# EAGLE board Mk4 Final Panel 8up 2x4 (EAGLE 9.0.1), part 12 of 23
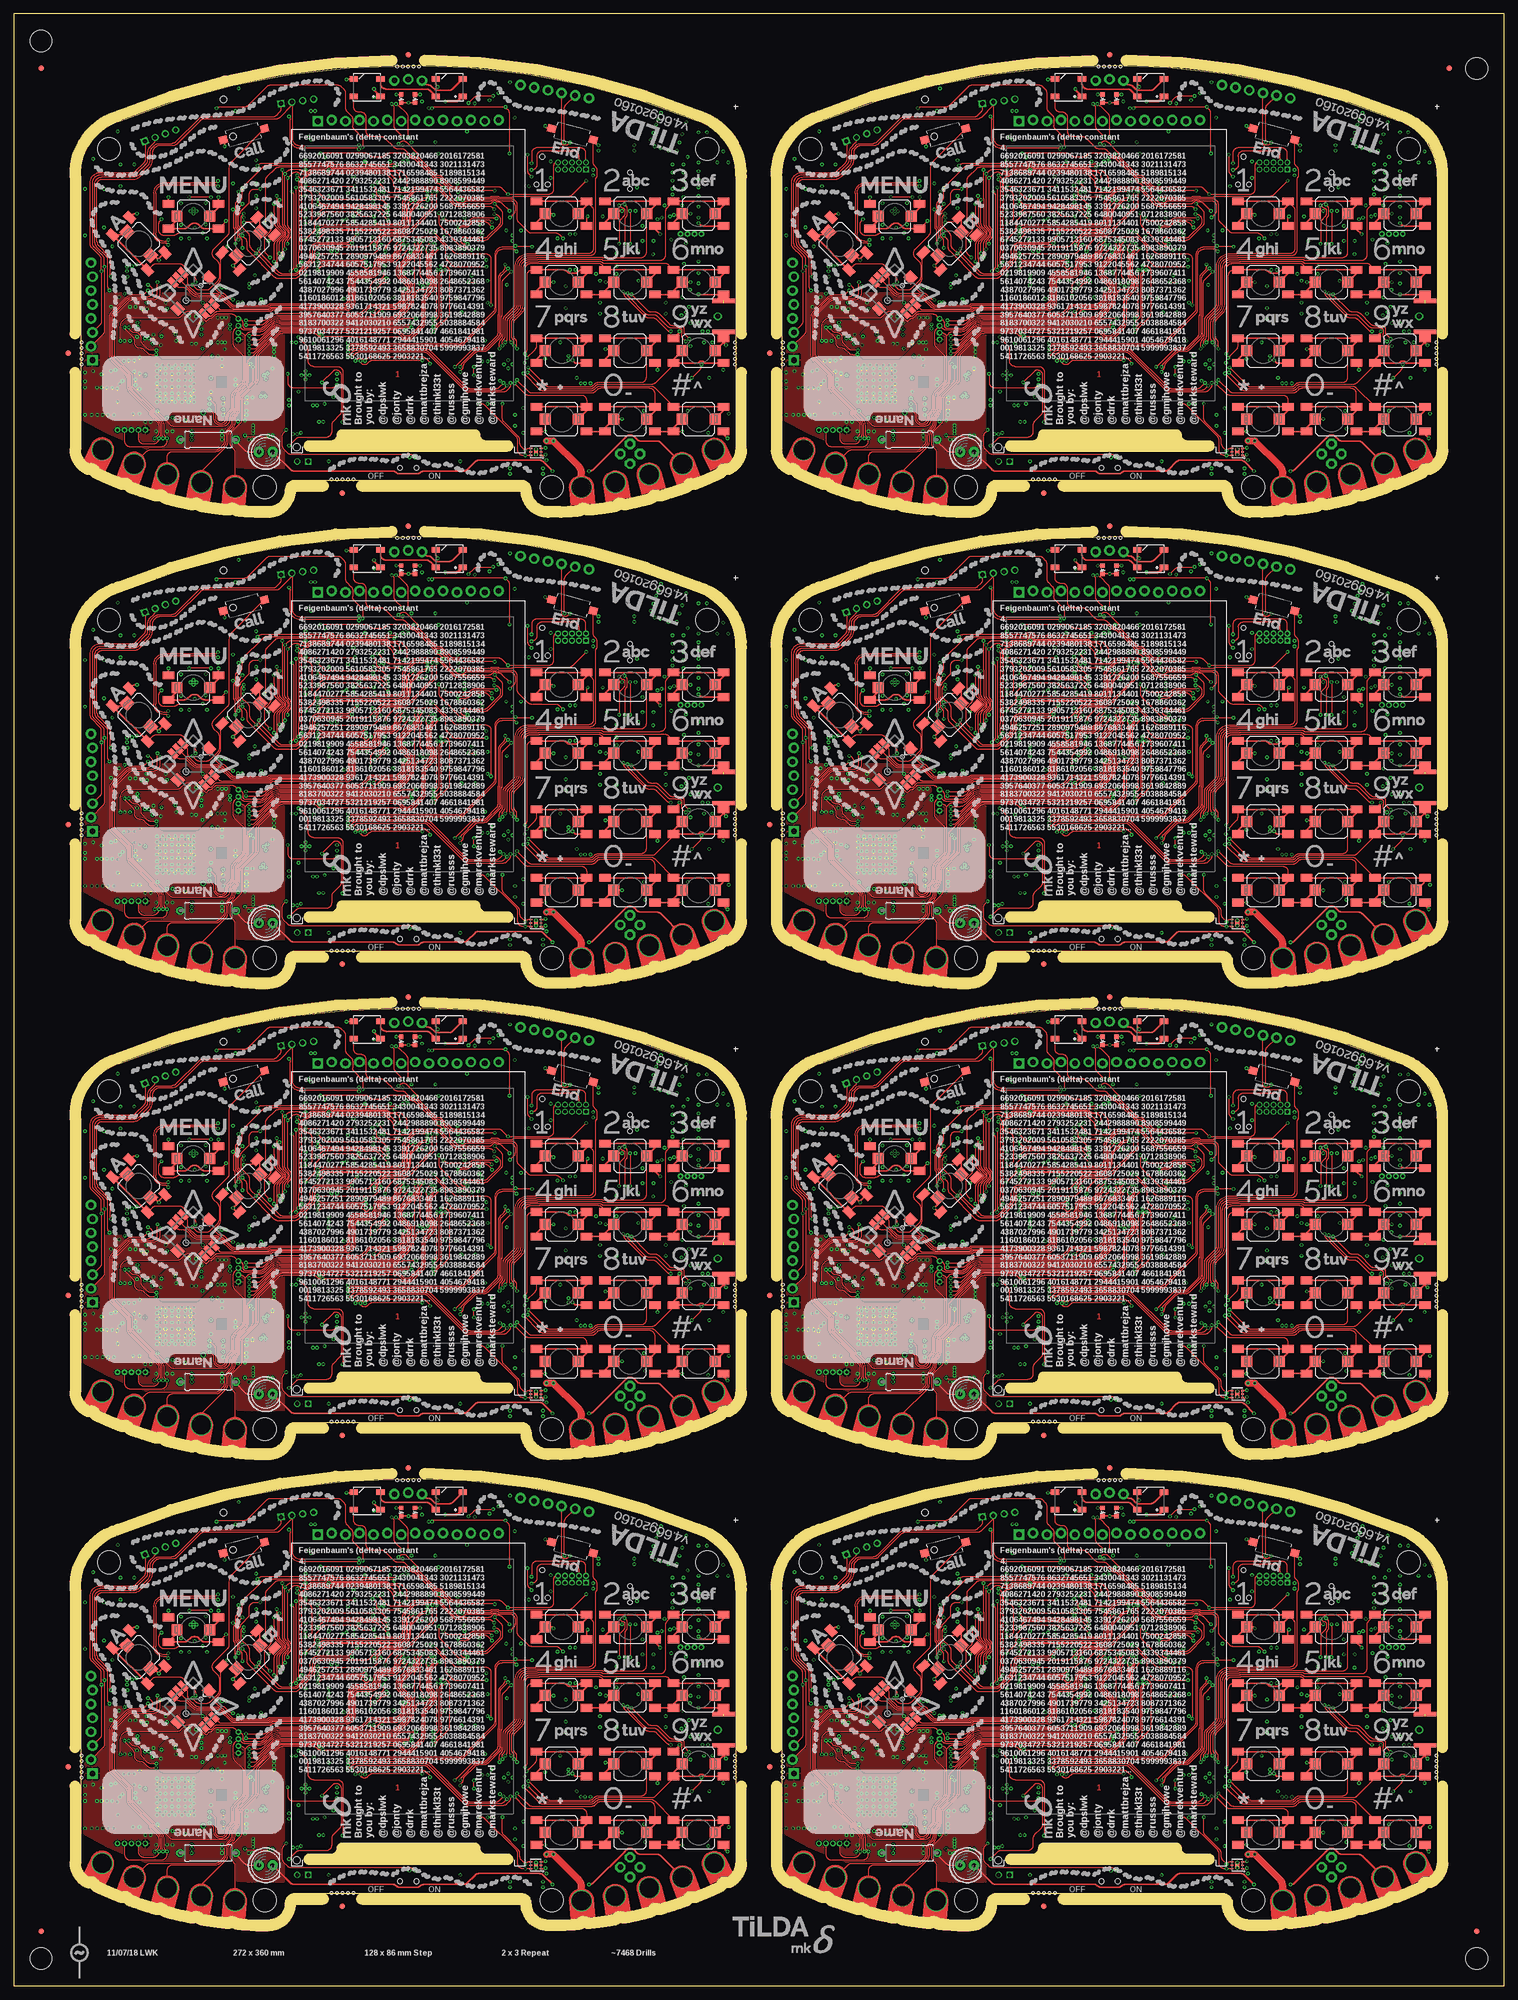
[diagram p0: board, top side]
## Tracks (layer width: path | path; a pad name or v marks a point on that pad's centre or on a via) (continued)
GND4  (via drill 0.3)  (1 unrouted) (continued)
  Top 0.3: S91.1 107.95,210.95 S91.A1 | S87.A1 95.45,210.95 S87.1 v97,211 | S88.A1 95.45,198 95.7,197.75 v97,197.75 S88.1 | S96.1 120.45,198.45 S96.A1 | S95.1 129.55,214.05 S95.A1 | 120.45,235.5 120.45,235.95 S93.1 v123.5,237.5 | 120.45,235.5 S93.A1 | S89.A1 107.95,235.95 S89.1 110,238 v111,238 | S85.A1 95.45,235.95 S85.1 98.25,237.5 v98.5,237.25 | S86.A1 95.45,223.45 S86.1 v98.5,225 | 107.95,223 107.95,223.45 S90.1 v108.05,225 | 107.95,223 S90.A1 | S85.A2 104.55,236.8 v104.75,237 | 120.2,235.25 120.45,235.5 | S94.A2 v125,222.75 | v123.5,225 S94.1 120.45,223.45 S94.A1 S90.A2 | 104.5,210.3 S87.A2 102.5,210.25 v102,210.75 | S91.1 109,213 | S96.A2 129.5,197.75 129.5,197.25 v130.25,196.5 | S92.A2 S96.A1 | v111,200 S92.1 107.95,198.45 S92.A1 S88.A2 | S86.A2 107.7,222.75 107.95,223 | S101.1 97.49,253.01 v97,253.5 | LED27.C v72.03,257.75 LED28.C | LED25.3 61.95,262 v60.75,262 | S93.A2 125.91,235.25 arc-45 125.21,235.54 v125,235.75 | 27.61,230.39 S98.A1 26.5,229.26 v26.5,229 25.62,229.88 S98.1 | S98.A2 21.57,237.21 arc-45 22.28,237.5 v22.5,237.5 | S96.A1 v122,197.75 | S89.A2 117.05,234.7 v118,233.75 | S91.1 109.25,212.75 v108,212.75 | S91.A2 117.5,209.8 v117.5,209 | S99.A2 v28.25,240.5 | S99.1 37.35,238.55 S99.A1 v37.35,240.5 | S100.1 38.5,250.72 v38.5,249.75 | S97.A1 40.81,227.19 v40,228 40.68,228.68 S97.1 | v46.5,232.5 47.61,233.61 S97.A2 | LED26.3 77.05,261.36 arc45 77.34,260.66 v77.4,260.6 | S95.A2 121.5,215.8 v121.5,216 | S95.A1 129.55,213.95 v130,213.5 | S95.A1 129.53,214.76 J49.G@4
  Top 0.4: S94.A2 129.53,222.74 J49.G@3
  GND@3 0.4: v34.45,212.85 31.8,210.2 v31.8,209.85 | v29.5,215.5 28.75,214.75 28.75,210.6 v29.5,209.85 | v27,215.1 27.75,214.35 27.75,210.4 v28.3,209.85
  Bottom 0.15: J41.32 68.75,222.25 | J41.31 69.25,222 | J41.30 69.75,222 | J41.29 70.25,222 | J41.28 70.75,222 | J41.27 71.25,222 | J41.26 71.75,222 | J41.25 72.25,222 | J41.24 72.75,222 | J41.23 73.25,222 | J41.22 73.75,222 | J41.21 74.25,222 | J41.20 74.75,222 | J41.19 75.25,222 | J41.18 75.75,222 | J41.17 76.25,222 | J41.16 76.75,222 | J41.15 77.25,222 | J41.14 77.75,222 | J41.13 78.25,222 | J41.12 78.75,222 | J41.11 79.25,222 | IC74.58 v65.6,240.8 | IC74.55 v65.6,239.6 | IC77.3 87.05,258 v86.85,258.2 | ANT10.3 118.79,255.9 v118.15,255.9 | v117.7,254.75 117.8,254.65 117.94,254.65 117.84,254.75 v117.7,254.75 | ANT10.2 118.05,254.4 v117.7,254.75 | ANT10.4 122.28,254.2 v122.75,254.2 | IC83.PAD v30.1,207.1 | IC83.PAD v28.9,207.1 | IC83.PAD v28.9,205.9 | IC83.PAD v30.1,205.9 | v28.9,208.3 29.5,208.9 v29.5,209.85 | v28.3,209.85 28.3,208.9 v27.7,208.3 27.75,208.35 | v31.3,208.3 31.3,209.35 v31.8,209.85 | v87.5,202.75 C534.2 88,203.5 arc90 88.5,204 88.5,204.5 arc90 88,205 IC86.2 87.46,205 arc45 87.1,204.85 86.9,204.65 arc-45 86.54,204.5 IC86.4 | C536.2 96.45,194.5 | v113.25,250 C485.2 | C488.2 v113.25,249 | C486.2 v106.75,250 | C484.2 v106.75,249 | v30.55,239.4 30.25,239.7 R389.2
  Bottom 0.2: C447.1 74.6,227.85 IC74.10 | IC74.17 71.8,228.01 arc-45 71.65,227.65 C446.1 v71.5,226.75 | IC74.48 63.46,236.8 arc-45 C444.1 | IC74.114 80.74,236.4 arc45 81.44,236.69 C443.1 | IC74.80 71.8,246.05 71.97,246.22 | X20.4 19.88,205.43 19.7,205.6 v18.9,205.6 | X20.2 21.73,201.07 v21.8,201 | IC85.23 87.8,210.75 arc-45 87.66,210.81 87.25,211.22 arc-90 87.25,211.25 | 87.25,211.25 v87.25,211.5 | IC85.24 87.25,211.25 | IC85.18 89,207.25 v88.75,207 | IC85.9 v93.25,210.25 | IC78.17 52.5,205.5 v52,205 IC78.18 | J44.GND4 123,200.05 | 96.45,194.5 arc45 v97.05,194.75 | v37.3,241.5 C538.2 | IC80.4 93.97,241.72 C503.1
  Bottom 0.25: J41.50 59.75,221.45 v60.25,221.95 | J41.49 v60.25,221.95 | J41.48 60.75,221.45 v60.25,221.95 | J41.43 63.25,222 | J41.6 v81.75,219.5 | v74,224.75 74,225.62 C448.1 74.25,226.12 C447.1 | v62,237.1 C444.1 | v82.25,236.75 C443.1 | v72,247 C445.1 71.97,246.22 | C442.1 C450.1 v73,248.45 | v61,241.25 R321.2 | C449.1 71.05,248.25 v71.65,247.65 | v81.5,192.25 S103.1 | v57.5,192.25 S104.1 | C453.1 v68.7,247 | C452.1 v64.1,247 | v77.5,248.45 C451.1 | R383.2 v31.25,199.75 | v33.35,237.95 IC82.PAD v32.8,237.5 | C468.2 44.88,199.22 | v91.45,255 C439.1 | v74.5,258 C437.1
  Bottom 0.3: 83.45,258.3 v84.15,257.6 | v38,211 R382.2 | v20.25,214.25 C511.1 | v22.5,215 22.62,214.88 C516.2 | v102.5,227.25 C494.2 | v101.5,227.25 C491.2 | v102.5,233.75 C490.2 | C492.2 v101.5,233.75 | IC75.8 106.1,226.65 v106.25,226.5 | R356.2 v100.75,224.25 | R348.2 v100.75,218.25 | R355.2 v100.75,220.25 | IC75.13 108.1,232.65 v108.25,232.5 | IC75.21 116.9,232.65 v116.75,232.5 | Q19.2 100.65,214.15 R346.2 v99.75,214 | C503.1 v94,242.5 | v98,244 97.91,244.09 JP37.5 | C496.1 v105.75,245.5 | IC81.7 99.19,233.81 R367.1 v99.25,233 | v107.5,237 C481.1 | v111,238 110.5,237.5 C480.1 | C479.1 v113.5,238 | J44.GND3 117.21,210.06 arc-45 117.5,209.36 v117.5,209 | 129.38,212.5 J44.GND2 129.5,212.59 arc-45 129.79,213.29 v130,213.5 | 130.17,210 J44.C4 129.79,209.74 arc45 129.5,209.04 v129.5,209 | v130.5,201 130.38,201 J44.GND1 | v115.25,198.25 R371.2 116.92,198.25 Q18.2 | C482.1 v126.75,197.5 | J44.C5 122.85,201.65 v123,201.5 123,200.05 | v115,201.5 115.23,201.27 116.25,201.27 J44.GND6 | C436.1 v82.25,231 | C441.1 v85,234.25 | C440.1 v85,235.5 | Q17.4 Q17.EP2 | C462.1 v57.5,226.25 | IC73.28 43.07,226.25 v44,226.25 | C458.1 v40,238.25 | IC73.46 44.2,240.7 v44.25,240.75 | C461.1 v40,243 | IC73.54 43.89,247.1 arc45 v44.25,247.25 | IC73.52 v44.25,245.5 | C460.1 v56.75,247.75 | C456.1 v57.5,245.5 | IC73.6 53.4,243.1 v53.25,243.25 | C457.1 v57.5,240.75 | C459.1 v57.5,236.75 | R331.1 v59,207.25 | R333.2 v59,208.25 | R335.2 54.15,213.5 arc45 v54.75,213.75 | v38,224 C477.1 | v38.75,224 38.75,223.5 C477.1 | v37.25,224 37.25,223.5 C477.1 | IC73.12 53.3,238.3 v53.25,238.25 | R375.2 v21.25,220.45 | R376.2 v22.25,220.45 | R363.2 v91,232.5 | v32.05,232.95 C509.2 | v114.75,232.5 114.7,232.55 IC75.19 114.7,235.2 v114.75,235.25
  Bottom 0.3: R373.2 41.95,199.5 v42.2,199.75 | IC85.25 v89.5,210 | v72.6,250.55 72.67,250.55 X18.4 | X18.2 76.83,250.55 v76.95,250.55 | v88.5,259.5 C454.1 | v90.6,261.5 R325.2 | C438.1 v82.75,252.5 | C495.1 v89.9,234.45 | J46.8 J46.4 | J48.8 J48.4 | IC73.41 42.05,236.7 v42,236.75 | J44.GND5 123.11,212.91 v123.5,213.3 122.94,213.3 arc-45 122.23,213.59 IC79.3 | IC75.33 119.3,218.95 v119,219.25 | v123.45,223.6 C497.1 | v122.7,218.5 D10.2 | v122.7,219.5 C498.1 | v17.75,208.75 C501.1 | v14.5,208.75 C502.1 | 38.55,214.8 C519.2 37.95,214.8 | IC89.2 v96.6,191 | C539.2 v90.6,190 | IC89.3 v96.6,190 | v119,221.25 119.1,221.15 IC75.31
  Bottom 0.35: v38.55,214 38.55,214.8 | v37.95,214 37.95,214.8
  Bottom 0.4: C521.2 34.1,212.5 v34.45,212.85 | v37.25,211.5 C515.2 | v38,209.75 C527.2 | C517.2 34.12,217.62 v34.25,217.5 | C517.2 v33.25,218.75 | v32,218.75 C518.2 C517.2 | C522.2 28.9,214.9 v29.5,215.5 29.4,215.4 | C520.2 v27,215.1 | v25.5,215.4 26.1,214.8 C514.2 | v40.5,206.25 C532.1 | v40.5,207.25 C533.1 | v38.25,202.75 C528.2 | C524.2 v36,205 | C510.1 v27.75,221.25 | C530.1 v22.95,205.5 | C526.2 v22.25,206.25 | C512.2 v22.25,207.25 | C531.1 v22.95,201 | R374.2 v24,199.5 | R377.2 v25,199.5 | R384.2 v26,197.75 | C529.2 v29,197.75 | C523.2 v28,197.75 | v38.5,212.75 C525.2 37.4,213.64 arc45 v37.25,214 | IC84.4 21.12,226.16 arc45 v20.75,226 | v38.25,200.75 R341.2 | v85.5,210.5 C455.1 | v50.25,202.5 50.85,202.5 C475.2 50.85,203.5 v50.25,203.5 | S102.2 71.4,193 v72.25,193 | Q17.EP2 86.4,221.35 v86.5,221.25 | v86.5,225.25 IC76.4 | 48.75,212.75 C476.2 48.38,212.25 v47.5,212.25 | 48.62,213 v47.5,213 | C472.2 47.6,211.4 v47.5,211.5 | v47.25,209.25 47.25,208.32 C473.1 | 13,205.6 v13,205.75 ANT9.4 | ANT9.3 v13,200.75 | ANT9.2 14.25,201.7 v14.25,200.75 | C478.1 v38,197 | C478.1 37.5,197.75 v38,197.75 | C478.1 37.5,196.25 v38,196.25 | J47.4 40.94,255.81 v40.5,256.25 | C435.2 65.88,258.62 v65.75,258.75 | IC90.3 99.26,192.15 arc-45 98.56,192.44 C540.2 97.68,192.68 arc-45 v97.25,192.5 | TP93.TP 43.75,204.1 v43.6,203.95
  Bottom 0.5: v24.35,220.05 24.35,219.5 C513.2 23.35,219.5 v23.35,220.05
  Bottom 1: J42.1 93.05,198.8 C470.2 | C470.2 91.6,198.85 v91.5,198.75 | C470.2 v93,197.5 | v58.35,204 C471.2 56.65,202.85 v56.75,202.75
  other vias: 69.25,222.25 78.75,222.25 62.9,225.15 32.8,238.4 32.25,237.95 122.7,232.1 122.35,228.35 122,252 121.5,250.5 121,249 119.5,249 118,249.5 117,249.75 116.25,251 116.75,252.25 117.25,253.75 27.7,207.1 27.7,205.9 27.7,204.7 28.9,204.7 30.1,204.7 31.3,204.7 31.3,205.9 31.3,207.1 30.1,208.3 23,211.25 23,208.35 19,203.2 18.25,200.75 17.25,200.75 16.25,200.75 15.25,200.75 18,205.75 17,205.75 16,205.75 15.2,205.75 91,210 90.25,210.75 90.25,209.25 101.25,211.5 101.25,210.75 126,214 125,224.75 125,226.65 125,228.75 125,230.75 125,236.75 125,238.75 125,240.75 125,245.25 125,246.85 128.4,246.85 130.4,246.85 53.25,208 54,208 53.25,208.75 53.25,207.25 52.5,208 35.3,232.95 30.55,232.95 30.55,235.45 35.05,235.55 35.05,239.45 43.7,198.85 43.7,198.35 43.7,197.35 43.7,197.85 42.9,196.25 43.6,196.25 42.6,203.95 42.5,202.95 42.5,200.75 42.5,201.55 26.75,207.1 26.75,205.9 26.75,204.7 26.75,208.3 32.25,207.1 32.25,205.9 32.25,204.7 32.25,208.3 27.7,203.75 28.9,203.75 30.1,203.75 31.3,203.75 27.7,209.25 28.9,209.25 30.1,209.25 31.3,209.25 32.25,203.75 32.25,209.25 26.75,209.25 26.75,203.75 30.7,209.85 27.2,209.85 26.15,209.85 26.15,208.8 29.5,203.15 30.7,203.15 31.9,203.15 28.3,203.15 27.2,203.15 32.85,206.45 32.85,205.25 32.85,204.05 32.85,207.65 26.15,206.5 26.15,205.3 26.15,204.2 26.15,207.7 32.85,208.75 32.85,209.85 32.85,203.15 26.15,203.15 126.7,216 125.7,216 127.5,214 122,222.2 16.5,242 16.5,235 19.5,242.5 19.5,246.5 22,246.5 19,252.5 14.5,247.5 13,242 13,233.5 18,231.5 19.25,222.25 13,208.5 110,219.25 107,219.25 107,221.25 107,225.25 114,225.25 116.7,230.1 114,230.75 120,232.75 123.5,217.5 123.25,220.5 125,242.25 125,243.75 123,247.85 125,252.35 129.5,248.85 126.5,252.35 121.85,218.95 125,217.5 18.6,208.95 19.35,206.45 19.85,206.95 22,208.7 21,210.7 22,210.7 20.1,210.6 122.25,246.5 120.25,246.5 122.25,245 120.25,245 122.25,243.5 120.25,243.5 122.25,242 120.25,242 122.25,240.5 120.25,241 118.75,239 118.25,236.75 117.5,236.5 119.75,237 120.5,237.25 122,239 17.75,220.5 16,208.15 13,206.85 110,230.25 110,226.5 110,227.9
  pour GND@3 (isolate 0.254, rank 6): 12.2,246.5 12.2,193 arc31 44,184 46.7,184 arc90 49.5,186.8 arc-90 51.5,188.8 92.5,188.8 arc-90 94.5,186.8 arc90 97.3,184 100,184 arc31 131.8,193 131.8,216.5 125.5,216.5 125.5,246.5 131.8,246.5 arc64 125.25,254.25 arc24 72,264.5 arc24 18.75,254.25 arc55
  pour Bottom (rank 6): 79.25,220.9 79.25,222.25 79,222.5 69,222.5 68.75,222.25 68.75,220.9
  pour Bottom (isolate 0.254, rank 6): 12.2,246.5 12.2,200 arc9 23,195 23,207 25,207 25,213 23,213 23,215 arc90 22,216 21,216 arc-90 20,217 20,237.71 arc-90 32.79,250.5 40.5,250.5 44,254 102.5,253.5 arc-90 105,251 105,216.5 116.09,216.5 arc-45 116.79,216.21 119.21,213.79 arc45 119.91,213.5 131.8,213.5 131.8,216.5 125.5,216.5 125.5,246.5 131.8,246.5 arc64 125.25,254.25 arc24 72,264.5 arc24 18.75,254.25 arc55
  pour Bottom (rank 2, no thermals): 113.5,217 115,217 115,214.5 114.41,214.5 arc45 113.71,214.21 113.29,213.79 arc45 113,213.09 113,211 arc-90 112,210 101.5,210 arc-90 100.5,211 arc-90 101.5,212 109.75,212 arc90 110.75,213 110.75,213.09 arc-45 111.04,213.79 111.71,214.46 arc-45 112.41,214.75 112.59,214.75 arc45 113.29,215.04 113.5,215.25
  pour Bottom (no thermals): 63.5,223.5 63.5,222.2 63.3,222 63.2,222 63,222.2 63,223.25 62.5,223.75 62.5,225.3 62.7,225.5 63.05,225.5 63.25,225.3 63.25,223.75
  pour Bottom: 35.55,232.95 35.55,238.95 arc90 34.55,239.95 31.05,239.95 arc90 30.05,238.95 30.05,232.95 arc90 31.05,231.95 34.55,231.95 arc90
  pour Bottom (no thermals): 49.4,211 49.4,212.1 49.2,212.3 49.2,213.05 49,213.25 47.75,213.25 47.25,212.75 47.25,211.25 47.5,211
  pour Bottom (no thermals): 43.9,198.8 43.9,196.3 arc-90 43.4,195.8 42.45,195.8 arc-90 41.95,196.3 41.95,203.65 arc-90 42.45,204.15 43.55,204.15 arc-90 44.05,203.65 44.05,200.1 arc90 44.55,199.6 45.8,199.6 45.85,199.55 45.85,198.9 45.75,198.8
  pour Top (rank 6): 12.2,223 12.2,200 arc34 49,191 49.5,191 49.5,223
GND5  (via drill 0.3)  (1 unrouted)
  Top 0.15: IC106.3 224.3,194.65 224.25,194.6 IC106.2 | v223.3,193.5 IC106.PAD v223.3,194.5
  Top 0.2: 224.3,194.65 224.95,194.65 v225.05,194.75
  Top 0.3: S112.1 235.95,210.95 S112.A1 | S108.A1 223.45,210.95 S108.1 v225,211 | S109.A1 223.45,198 223.7,197.75 v225,197.75 S109.1 | S117.1 248.45,198.45 S117.A1 | S116.1 257.55,214.05 S116.A1 | 248.45,235.5 248.45,235.95 S114.1 v251.5,237.5 | 248.45,235.5 S114.A1 | S110.A1 235.95,235.95 S110.1 238,238 v239,238 | S106.A1 223.45,235.95 S106.1 226.25,237.5 v226.5,237.25 | S107.A1 223.45,223.45 S107.1 v226.5,225 | 235.95,223 235.95,223.45 S111.1 v236.05,225 | 235.95,223 S111.A1 | S106.A2 232.55,236.8 v232.75,237 | 248.2,235.25 248.45,235.5 | S115.A2 v253,222.75 | v251.5,225 S115.1 248.45,223.45 S115.A1 S111.A2 | 232.5,210.3 S108.A2 230.5,210.25 v230,210.75 | S112.1 237,213 | S117.A2 257.5,197.75 257.5,197.25 v258.25,196.5 | S113.A2 S117.A1 | v239,200 S113.1 235.95,198.45 S113.A1 S109.A2 | S107.A2 235.7,222.75 235.95,223 | S122.1 225.49,253.01 v225,253.5 | LED33.C v200.03,257.75 LED34.C | LED31.3 189.95,262 v188.75,262 | S114.A2 253.91,235.25 arc-45 253.21,235.54 v253,235.75 | 155.61,230.39 S119.A1 154.5,229.26 v154.5,229 153.62,229.88 S119.1 | S119.A2 149.57,237.21 arc-45 150.28,237.5 v150.5,237.5 | S117.A1 v250,197.75 | S110.A2 245.05,234.7 v246,233.75 | S112.1 237.25,212.75 v236,212.75 | S112.A2 245.5,209.8 v245.5,209 | S120.A2 v156.25,240.5 | S120.1 165.35,238.55 S120.A1 v165.35,240.5 | S121.1 166.5,250.72 v166.5,249.75 | S118.A1 168.81,227.19 v168,228 168.68,228.68 S118.1 | v174.5,232.5 175.61,233.61 S118.A2 | LED32.3 205.05,261.36 arc45 205.34,260.66 v205.4,260.6 | S116.A2 249.5,215.8 v249.5,216 | S116.A1 257.55,213.95 v258,213.5 | S116.A1 257.53,214.76 J59.G@4
  Top 0.4: S115.A2 257.53,222.74 J59.G@3
  GND@3 0.4: v162.45,212.85 159.8,210.2 v159.8,209.85 | v157.5,215.5 156.75,214.75 156.75,210.6 v157.5,209.85 | v155,215.1 155.75,214.35 155.75,210.4 v156.3,209.85
  Bottom 0.15: J51.32 196.75,222.25 | J51.31 197.25,222 | J51.30 197.75,222 | J51.29 198.25,222 | J51.28 198.75,222 | J51.27 199.25,222 | J51.26 199.75,222 | J51.25 200.25,222 | J51.24 200.75,222 | J51.23 201.25,222 | J51.22 201.75,222 | J51.21 202.25,222 | J51.20 202.75,222 | J51.19 203.25,222 | J51.18 203.75,222 | J51.17 204.25,222 | J51.16 204.75,222 | J51.15 205.25,222 | J51.14 205.75,222 | J51.13 206.25,222 | J51.12 206.75,222 | J51.11 207.25,222 | IC92.58 v193.6,240.8 | IC92.55 v193.6,239.6 | IC95.3 215.05,258 v214.85,258.2 | ANT12.3 246.79,255.9 v246.15,255.9 | v245.7,254.75 245.8,254.65 245.94,254.65 245.84,254.75 v245.7,254.75 | ANT12.2 246.05,254.4 v245.7,254.75 | ANT12.4 250.28,254.2 v250.75,254.2 | IC101.PAD v158.1,207.1 | IC101.PAD v156.9,207.1 | IC101.PAD v156.9,205.9 | IC101.PAD v158.1,205.9 | v156.9,208.3 157.5,208.9 v157.5,209.85 | v156.3,209.85 156.3,208.9 v155.7,208.3 155.75,208.35 | v159.3,208.3 159.3,209.35 v159.8,209.85 | v215.5,202.75 C642.2 216,203.5 arc90 216.5,204 216.5,204.5 arc90 216,205 IC104.2 215.46,205 arc45 215.1,204.85 214.9,204.65 arc-45 214.54,204.5 IC104.4 | C644.2 224.45,194.5 | v241.25,250 C593.2 | C596.2 v241.25,249 | C594.2 v234.75,250 | C592.2 v234.75,249 | v158.55,239.4 158.25,239.7 R467.2
  Bottom 0.2: C555.1 202.6,227.85 IC92.10 | IC92.17 199.8,228.01 arc-45 199.65,227.65 C554.1 v199.5,226.75 | IC92.48 191.46,236.8 arc-45 C552.1 | IC92.114 208.74,236.4 arc45 209.44,236.69 C551.1 | IC92.80 199.8,246.05 199.97,246.22 | X24.4 147.88,205.43 147.7,205.6 v146.9,205.6 | X24.2 149.72,201.07 v149.8,201 | IC103.23 215.8,210.75 arc-45 215.66,210.81 215.25,211.22 arc-90 215.25,211.25 | 215.25,211.25 v215.25,211.5 | IC103.24 215.25,211.25 | IC103.18 217,207.25 v216.75,207 | IC103.9 v221.25,210.25 | IC96.17 180.5,205.5 v180,205 IC96.18 | J54.GND4 251,200.05 | 224.45,194.5 arc45 v225.05,194.75 | v165.3,241.5 C646.2 | IC98.4 221.97,241.72 C611.1
  Bottom 0.25: J51.50 187.75,221.45 v188.25,221.95 | J51.49 v188.25,221.95 | J51.48 188.75,221.45 v188.25,221.95 | J51.43 191.25,222 | J51.6 v209.75,219.5 | v202,224.75 202,225.62 C556.1 202.25,226.12 C555.1 | v190,237.1 C552.1 | v210.25,236.75 C551.1 | v200,247 C553.1 199.97,246.22 | C550.1 C558.1 v201,248.45 | v189,241.25 R399.2 | C557.1 199.05,248.25 v199.65,247.65 | v209.5,192.25 S124.1 | v185.5,192.25 S125.1 | C561.1 v196.7,247 | C560.1 v192.1,247 | v205.5,248.45 C559.1 | R461.2 v159.25,199.75 | v161.35,237.95 IC100.PAD v160.8,237.5 | C576.2 172.88,199.22 | v219.45,255 C547.1 | v202.5,258 C545.1
  Bottom 0.3: 211.45,258.3 v212.15,257.6 | v166,211 R460.2 | v148.25,214.25 C619.1 | v150.5,215 150.62,214.88 C624.2 | v230.5,227.25 C602.2 | v229.5,227.25 C599.2 | v230.5,233.75 C598.2 | C600.2 v229.5,233.75 | IC93.8 234.1,226.65 v234.25,226.5 | R434.2 v228.75,224.25 | R426.2 v228.75,218.25 | R433.2 v228.75,220.25 | IC93.13 236.1,232.65 v236.25,232.5 | IC93.21 244.9,232.65 v244.75,232.5 | Q23.2 228.65,214.15 R424.2 v227.75,214 | C611.1 v222,242.5 | v226,244 225.91,244.09 JP46.5 | C604.1 v233.75,245.5 | IC99.7 227.19,233.81 R445.1 v227.25,233 | v235.5,237 C589.1 | v239,238 238.5,237.5 C588.1 | C587.1 v241.5,238 | J54.GND3 245.21,210.06 arc-45 245.5,209.36 v245.5,209 | 257.38,212.5 J54.GND2 257.5,212.59 arc-45 257.79,213.29 v258,213.5 | 258.17,210 J54.C4 257.79,209.74 arc45 257.5,209.04 v257.5,209 | v258.5,201 258.38,201 J54.GND1 | v243.25,198.25 R449.2 244.93,198.25 Q22.2 | C590.1 v254.75,197.5 | J54.C5 250.85,201.65 v251,201.5 251,200.05 | v243,201.5 243.23,201.27 244.25,201.27 J54.GND6 | C544.1 v210.25,231 | C549.1 v213,234.25 | C548.1 v213,235.5 | Q21.4 Q21.EP2 | C570.1 v185.5,226.25 | IC91.28 171.07,226.25 v172,226.25 | C566.1 v168,238.25 | IC91.46 172.2,240.7 v172.25,240.75 | C569.1 v168,243 | IC91.54 171.89,247.1 arc45 v172.25,247.25 | IC91.52 v172.25,245.5 | C568.1 v184.75,247.75 | C564.1 v185.5,245.5 | IC91.6 181.4,243.1 v181.25,243.25 | C565.1 v185.5,240.75 | C567.1 v185.5,236.75 | R409.1 v187,207.25 | R411.2 v187,208.25 | R413.2 182.15,213.5 arc45 v182.75,213.75 | v166,224 C585.1 | v166.75,224 166.75,223.5 C585.1 | v165.25,224 165.25,223.5 C585.1 | IC91.12 181.3,238.3 v181.25,238.25 | R453.2 v149.25,220.45 | R454.2 v150.25,220.45 | R441.2 v219,232.5
  Bottom 0.3: v160.05,232.95 C617.2 | v242.75,232.5 242.7,232.55 IC93.19 242.7,235.2 v242.75,235.25 | R451.2 169.95,199.5 v170.2,199.75 | IC103.25 v217.5,210 | v200.6,250.55 200.68,250.55 X22.4 | X22.2 204.82,250.55 v204.95,250.55 | v216.5,259.5 C562.1 | v218.6,261.5 R403.2 | C546.1 v210.75,252.5 | C603.1 v217.9,234.45 | J56.8 J56.4 | J58.8 J58.4 | IC91.41 170.05,236.7 v170,236.75 | J54.GND5 251.11,212.91 v251.5,213.3 250.94,213.3 arc-45 250.23,213.59 IC97.3 | IC93.33 247.3,218.95 v247,219.25 | v251.45,223.6 C605.1 | v250.7,218.5 D12.2 | v250.7,219.5 C606.1 | v145.75,208.75 C609.1 | v142.5,208.75 C610.1 | 166.55,214.8 C627.2 165.95,214.8 | IC107.2 v224.6,191 | C647.2 v218.6,190 | IC107.3 v224.6,190 | v247,221.25 247.1,221.15 IC93.31
  Bottom 0.35: v166.55,214 166.55,214.8 | v165.95,214 165.95,214.8
  Bottom 0.4: C629.2 162.1,212.5 v162.45,212.85 | v165.25,211.5 C623.2 | v166,209.75 C635.2 | C625.2 162.12,217.62 v162.25,217.5 | C625.2 v161.25,218.75 | v160,218.75 C626.2 C625.2 | C630.2 156.9,214.9 v157.5,215.5 157.4,215.4 | C628.2 v155,215.1 | v153.5,215.4 154.1,214.8 C622.2 | v168.5,206.25 C640.1 | v168.5,207.25 C641.1 | v166.25,202.75 C636.2 | C632.2 v164,205 | C618.1 v155.75,221.25 | C638.1 v150.95,205.5 | C634.2 v150.25,206.25 | C620.2 v150.25,207.25 | C639.1 v150.95,201 | R452.2 v152,199.5 | R455.2 v153,199.5 | R462.2 v154,197.75 | C637.2 v157,197.75 | C631.2 v156,197.75 | v166.5,212.75 C633.2 165.4,213.64 arc45 v165.25,214 | IC102.4 149.12,226.16 arc45 v148.75,226 | v166.25,200.75 R419.2 | v213.5,210.5 C563.1 | v178.25,202.5 178.85,202.5 C583.2 178.85,203.5 v178.25,203.5 | S123.2 199.4,193 v200.25,193 | Q21.EP2 214.4,221.35 v214.5,221.25 | v214.5,225.25 IC94.4 | 176.75,212.75 C584.2 176.38,212.25 v175.5,212.25 | 176.62,213 v175.5,213 | C580.2 175.6,211.4 v175.5,211.5 | v175.25,209.25 175.25,208.32 C581.1 | 141,205.6 v141,205.75 ANT11.4 | ANT11.3 v141,200.75 | ANT11.2 142.25,201.7 v142.25,200.75 | C586.1 v166,197 | C586.1 165.5,197.75 v166,197.75 | C586.1 165.5,196.25 v166,196.25 | J57.4 168.94,255.81 v168.5,256.25 | C543.2 193.88,258.62 v193.75,258.75 | IC108.3 227.26,192.15 arc-45 226.56,192.44 C648.2 225.68,192.68 arc-45 v225.25,192.5 | TP112.TP 171.75,204.1 v171.6,203.95
  Bottom 0.5: v152.35,220.05 152.35,219.5 C621.2 151.35,219.5 v151.35,220.05
  Bottom 1: J52.1 221.05,198.8 C578.2 | C578.2 219.6,198.85 v219.5,198.75 | C578.2 v221,197.5 | v186.35,204 C579.2 184.65,202.85 v184.75,202.75
  other vias: 197.25,222.25 206.75,222.25 190.9,225.15 160.8,238.4 160.25,237.95 250.7,232.1 250.35,228.35 250,252 249.5,250.5 249,249 247.5,249 246,249.5 245,249.75 244.25,251 244.75,252.25 245.25,253.75 155.7,207.1 155.7,205.9 155.7,204.7 156.9,204.7 158.1,204.7 159.3,204.7 159.3,205.9 159.3,207.1 158.1,208.3 151,211.25 151,208.35 147,203.2 146.25,200.75 145.25,200.75 144.25,200.75 143.25,200.75 146,205.75 145,205.75 144,205.75 143.2,205.75 219,210 218.25,210.75 218.25,209.25 229.25,211.5 229.25,210.75 254,214 253,224.75 253,226.65 253,228.75 253,230.75 253,236.75 253,238.75 253,240.75 253,245.25 253,246.85 256.4,246.85 258.4,246.85 181.25,208 182,208 181.25,208.75 181.25,207.25 180.5,208 163.3,232.95 158.55,232.95 158.55,235.45 163.05,235.55 163.05,239.45 171.7,198.85 171.7,198.35 171.7,197.35 171.7,197.85 170.9,196.25 171.6,196.25 170.6,203.95 170.5,202.95 170.5,200.75 170.5,201.55 154.75,207.1 154.75,205.9 154.75,204.7 154.75,208.3 160.25,207.1 160.25,205.9 160.25,204.7 160.25,208.3 155.7,203.75 156.9,203.75 158.1,203.75 159.3,203.75 155.7,209.25 156.9,209.25 158.1,209.25 159.3,209.25 160.25,203.75 160.25,209.25 154.75,209.25 154.75,203.75 158.7,209.85 155.2,209.85 154.15,209.85 154.15,208.8 157.5,203.15 158.7,203.15 159.9,203.15 156.3,203.15 155.2,203.15 160.85,206.45 160.85,205.25 160.85,204.05 160.85,207.65 154.15,206.5 154.15,205.3 154.15,204.2 154.15,207.7 160.85,208.75 160.85,209.85 160.85,203.15 154.15,203.15 254.7,216 253.7,216 255.5,214 250,222.2 144.5,242 144.5,235 147.5,242.5 147.5,246.5 150,246.5 147,252.5 142.5,247.5 141,242 141,233.5 146,231.5 147.25,222.25 141,208.5 238,219.25 235,219.25 235,221.25 235,225.25 242,225.25 244.7,230.1 242,230.75 248,232.75 251.5,217.5 251.25,220.5 253,242.25 253,243.75 251,247.85 253,252.35 257.5,248.85 254.5,252.35 249.85,218.95 253,217.5 146.6,208.95 147.35,206.45 147.85,206.95 150,208.7 149,210.7 150,210.7 148.1,210.6 250.25,246.5 248.25,246.5 250.25,245 248.25,245 250.25,243.5 248.25,243.5 250.25,242 248.25,242 250.25,240.5 248.25,241 246.75,239 246.25,236.75 245.5,236.5 247.75,237 248.5,237.25 250,239 145.75,220.5 144,208.15 141,206.85 238,230.25 238,226.5 238,227.9
  pour GND@3 (isolate 0.254, rank 6): 140.2,246.5 140.2,193 arc31 172,184 174.7,184 arc90 177.5,186.8 arc-90 179.5,188.8 220.5,188.8 arc-90 222.5,186.8 arc90 225.3,184 228,184 arc31 259.8,193 259.8,216.5 253.5,216.5 253.5,246.5 259.8,246.5 arc64 253.25,254.25 arc24 200,264.5 arc24 146.75,254.25 arc55
  pour Bottom (rank 6): 207.25,220.9 207.25,222.25 207,222.5 197,222.5 196.75,222.25 196.75,220.9
  pour Bottom (isolate 0.254, rank 6): 140.2,246.5 140.2,200 arc9 151,195 151,207 153,207 153,213 151,213 151,215 arc90 150,216 149,216 arc-90 148,217 148,237.71 arc-90 160.79,250.5 168.5,250.5 172,254 230.5,253.5 arc-90 233,251 233,216.5 244.09,216.5 arc-45 244.79,216.21 247.21,213.79 arc45 247.91,213.5 259.8,213.5 259.8,216.5 253.5,216.5 253.5,246.5 259.8,246.5 arc64 253.25,254.25 arc24 200,264.5 arc24 146.75,254.25 arc55
  pour Bottom (rank 2, no thermals): 241.5,217 243,217 243,214.5 242.41,214.5 arc45 241.71,214.21 241.29,213.79 arc45 241,213.09 241,211 arc-90 240,210 229.5,210 arc-90 228.5,211 arc-90 229.5,212 237.75,212 arc90 238.75,213 238.75,213.09 arc-45 239.04,213.79 239.71,214.46 arc-45 240.41,214.75 240.59,214.75 arc45 241.29,215.04 241.5,215.25
  pour Bottom (no thermals): 191.5,223.5 191.5,222.2 191.3,222 191.2,222 191,222.2 191,223.25 190.5,223.75 190.5,225.3 190.7,225.5 191.05,225.5 191.25,225.3 191.25,223.75
  pour Bottom: 163.55,232.95 163.55,238.95 arc90 162.55,239.95 159.05,239.95 arc90 158.05,238.95 158.05,232.95 arc90 159.05,231.95 162.55,231.95 arc90
  pour Bottom (no thermals): 177.4,211 177.4,212.1 177.2,212.3 177.2,213.05 177,213.25 175.75,213.25 175.25,212.75 175.25,211.25 175.5,211
  pour Bottom (no thermals): 171.9,198.8 171.9,196.3 arc-90 171.4,195.8 170.45,195.8 arc-90 169.95,196.3 169.95,203.65 arc-90 170.45,204.15 171.55,204.15 arc-90 172.05,203.65 172.05,200.1 arc90 172.55,199.6 173.8,199.6 173.85,199.55 173.85,198.9 173.75,198.8
  pour Top (rank 6): 140.2,223 140.2,200 arc34 177,191 177.5,191 177.5,223